# Allegro board 6089-103-RevB_76.brd (continued)
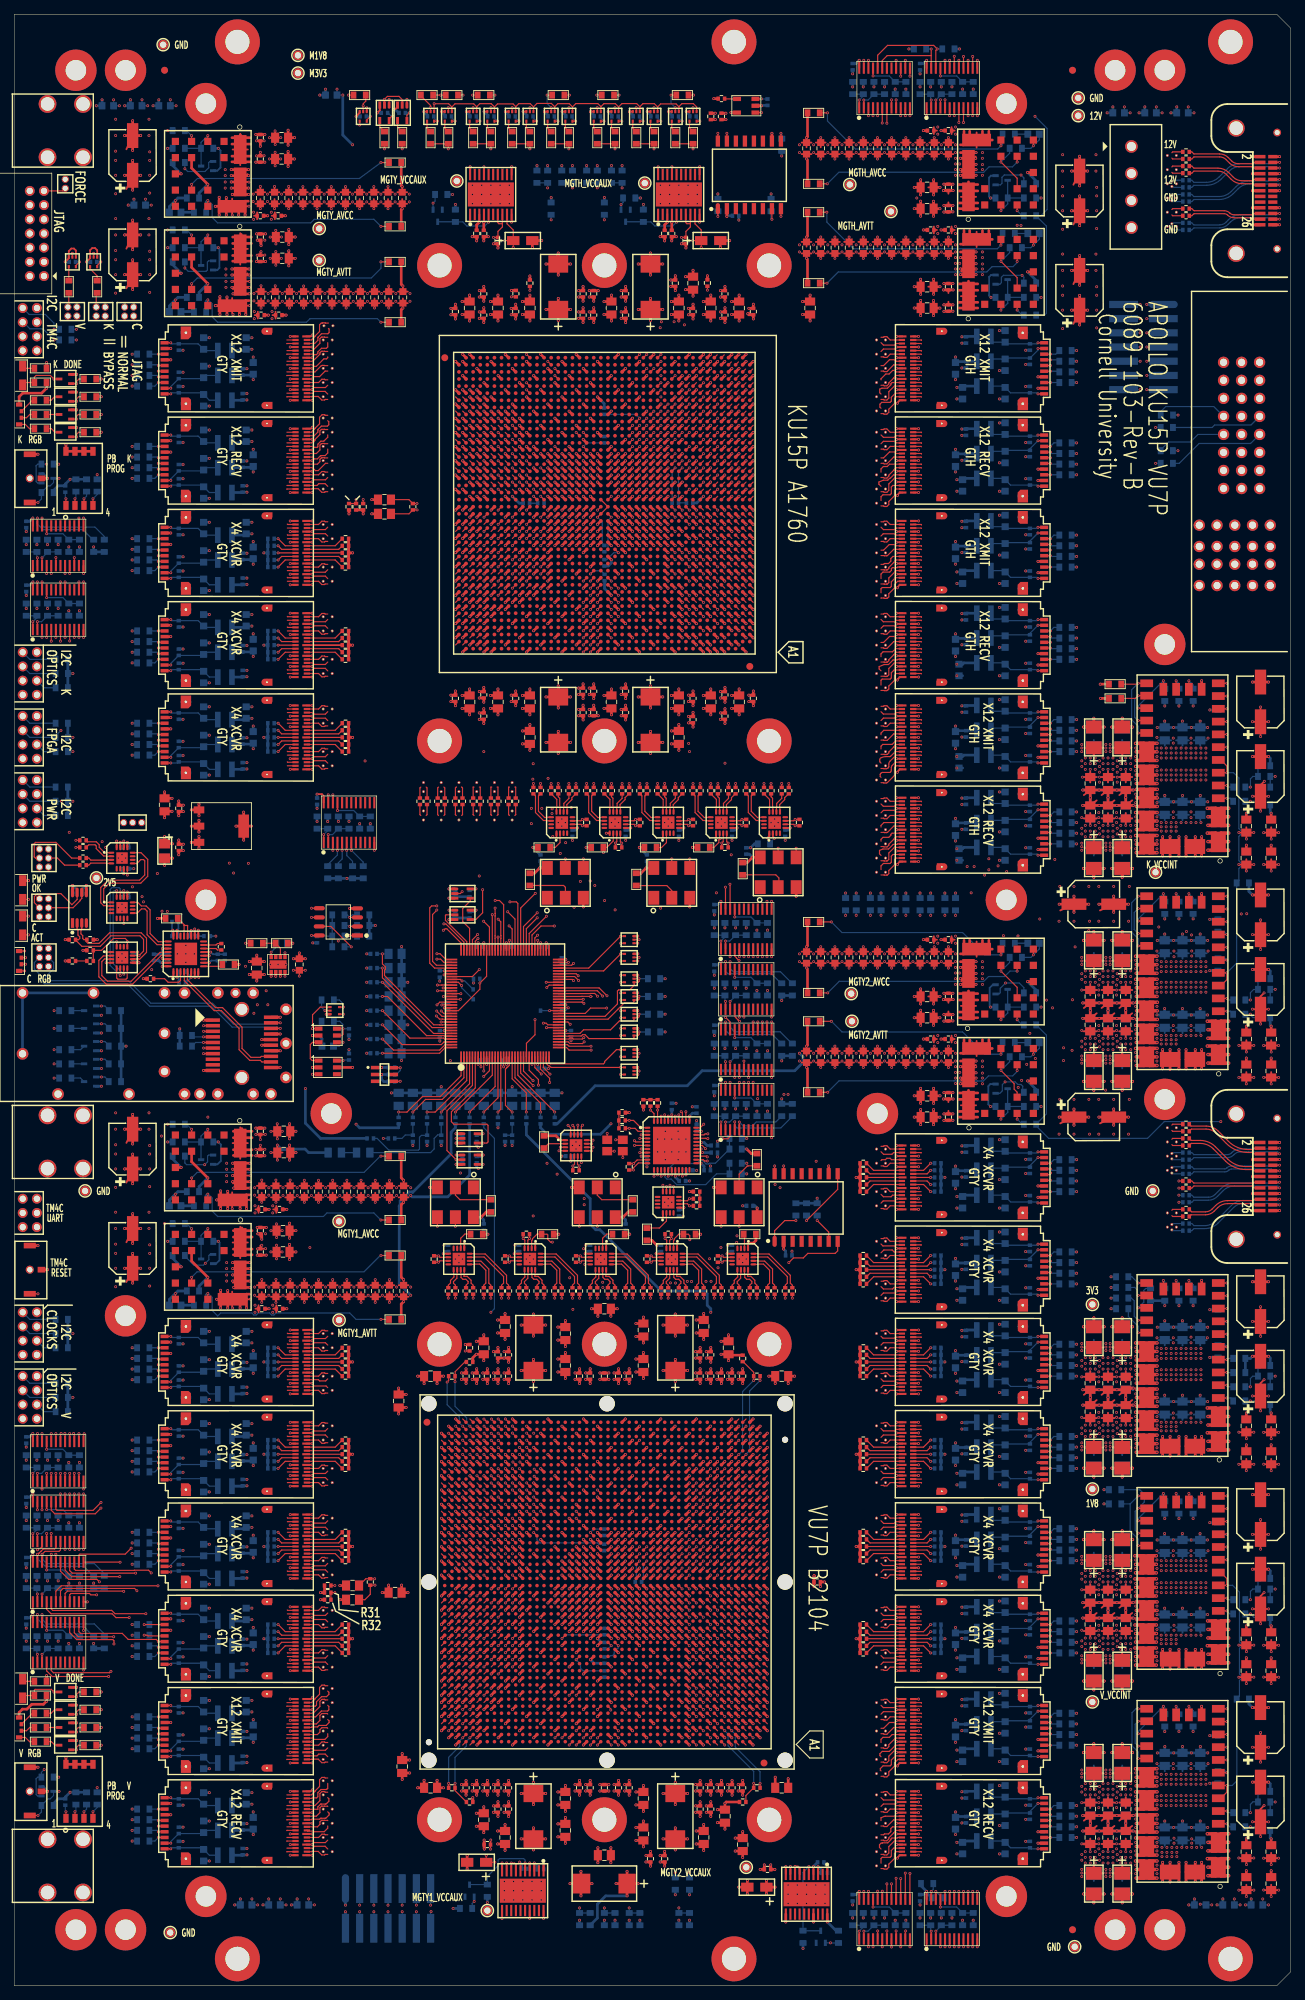
[diagram p0: board, top side]
## Routing (per net, layer and track width the routed paths; a pad name or vN(x,y) marks a point on that pad's centre or on a via; arc(x,y) is an arc through that point) (continued)
; 23.49,197.62 U22.G2 ; U22.G2 24.93,197.62 ; U22.G2 23.49,196.18 ; U22.G2 23.81,195.97 ; U22.G2 24.93,196.18 ; U22.G2 24.21,197.84 ; U22.G2 24.21,195.96 ; U22.G2 25.15,196.9 ; 122.83,195.52 VA82.3 ; VA82.3 123.25,196.09 ; VA82.3 123.25,195.71 ; VA82.3 123.22,195.9 ; VA82.3 122.83,196.28 ; VA82.3 123.16,195.58 ; VA82.3 123.02,196.31 ; VA82.3 123.16,196.22 ; 163.84,247.9 164.25,247.71 ; 163.84,247.9 163.84,248.28 ; 163.84,247.9 164.16,247.58 ; 163.84,247.9 164.25,248.09 ; 163.84,247.9 163.84,247.52 ; 163.84,247.9 164.22,247.9 ; 163.84,247.9 164.02,248.31 ; 163.84,247.9 164.16,248.22 ; VA104.3 123.22,109.9 ; VA104.3 122.83,110.28 ; VA104.3 123.25,109.71 ; VA104.3 123.16,110.22 ; VA104.3 122.83,109.52 ; VA104.3 123.02,110.31 ; VA104.3 123.25,110.09 ; VA104.3 123.16,109.58 ; 172.05,213.51 P1.10 ; P1.10 173.03,214.49 ; P1.10 173.03,212.53 ; P1.10 172.29,212.77 ; P1.10 173.77,214.25 ; P1.10 173.77,212.77 ; P1.10 172.29,214.25 ; P1.10 174.01,213.51 ; 59.79,165.72 VA56.4 ; VA56.4 60.61,165.72 ; VA56.4 60.2,165.92 ; VA56.4 59.88,165.86 ; VA56.4 60.39,165.95 ; VA56.4 60.52,165.86 ; VA56.4 60.58,165.53 ; VA56.4 59.82,165.53 ; 141.79,29.97 U116.G1 ; U116.G1 141.47,31.62 ; U116.G1 141.25,30.9 ; U116.G1 142.19,31.84 ; U116.G1 142.91,30.18 ; U116.G1 142.19,29.96 ; U116.G1 142.91,31.62 ; U116.G1 141.47,30.18 ; VA119.3 122.83,60.28 ; VA119.3 123.22,59.9 ; VA119.3 123.02,60.31 ; VA119.3 122.83,59.52 ; VA119.3 123.25,60.09 ; VA119.3 123.16,59.58 ; VA119.3 123.25,59.71 ; VA119.3 123.16,60.22 ; 121.56,91.52 VA109.3 ; VA109.3 121.15,92.09 ; VA109.3 121.38,91.49 ; VA109.3 121.56,92.28 ; VA109.3 121.18,91.9 ; VA109.3 121.24,91.58 ; VA109.3 121.24,92.22 ; VA109.3 121.15,91.71 ; 121.15,202.09 VA79.4 ; VA79.4 121.24,202.22 ; VA79.4 121.56,201.52 ; VA79.4 121.24,201.58 ; VA79.4 121.18,201.9 ; VA79.4 121.56,202.28 ; VA79.4 121.38,201.49 ; VA79.4 121.15,201.71 ; U117.G1 142.91,17.18 ; U117.G1 142.19,16.96 ; U117.G1 141.47,17.18 ; U117.G1 141.47,18.62 ; U117.G1 142.19,18.84 ; U117.G1 142.91,18.62 ; U117.G1 141.79,16.97 ; U117.G1 141.25,17.9 ; 15.31,125.65 U13.31 ; U13.31 16.86,124.98 ; U13.31 16.86,126.32 ; U13.31 16.19,124.77 ; U13.31 16.19,126.53 ; U13.31 17.07,125.65 ; U13.31 15.52,126.32 ; U13.31 15.52,124.98 ; 43.24,177.58 43.56,177.9 ; 43.56,177.9 43.15,178.09 ; 43.56,177.9 43.56,177.52 ; 43.56,177.9 43.56,178.28 ; 43.56,177.9 43.15,177.71 ; 43.56,177.9 43.24,178.22 ; 43.56,177.9 43.18,177.9 ; 43.56,177.9 43.38,177.49 ; 121.15,59.71 VA119.4 ; VA119.4 121.56,59.52 ; VA119.4 121.38,59.49 ; VA119.4 121.18,59.9 ; VA119.4 121.56,60.28 ; VA119.4 121.24,59.58 ; VA119.4 121.24,60.22 ; VA119.4 121.15,60.09 ; U112.G1 142.91,82.18 ; U112.G1 142.19,81.96 ; U112.G1 141.79,81.97 ; U112.G1 141.25,82.9 ; U112.G1 141.47,83.62 ; U112.G1 142.19,83.84 ; U112.G1 142.91,83.62 ; U112.G1 141.47,82.18 ; P1.14 173.03,224.65 ; P1.14 173.77,222.93 ; P1.14 173.03,222.69 ; P1.14 172.29,222.93 ; P1.14 172.29,224.41 ; P1.14 173.77,224.41 ; P1.14 174.01,223.67 ; P1.14 172.05,223.67 ; J3.8 3.87,182.57 ; J3.8 4.08,181.9 ; J3.8 3.2,182.78 ; J3.8 2.53,182.57 ; J3.8 3.87,181.23 ; J3.8 3.2,181.02 ; J3.8 2.53,181.23 ; J3.8 2.32,181.9 ; VA68.3 122.83,226.28 ; VA68.3 123.16,226.22 ; VA68.3 123.22,225.9 ; VA68.3 123.16,225.58 ; VA68.3 123.25,226.09 ; VA68.3 123.25,225.71 ; VA68.3 123.02,226.31 ; VA68.3 122.83,225.52 ; VA72.3 123.02,217.31 ; VA72.3 122.83,217.28 ; VA72.3 122.83,216.52 ; VA72.3 123.16,217.22 ; VA72.3 123.25,216.71 ; VA72.3 123.16,216.58 ; VA72.3 123.22,216.9 ; VA72.3 123.25,217.09 ; 43.24,232.22 43.56,231.9 ; 43.56,231.9 43.15,231.71 ; 43.56,231.9 43.56,232.28 ; 43.56,231.9 43.24,231.58 ; 43.56,231.9 43.18,231.9 ; 43.56,231.9 43.56,231.52 ; 43.56,231.9 43.15,232.09 ; 43.56,231.9 43.38,231.49 ; 121.15,170.09 VA94.4 ; VA94.4 121.24,169.58 ; VA94.4 121.56,169.52 ; VA94.4 121.38,169.49 ; VA94.4 121.18,169.9 ; VA94.4 121.56,170.28 ; VA94.4 121.15,169.71 ; VA94.4 121.24,170.22 ; 121.15,166.71 VA95.4 ; VA95.4 121.38,166.49 ; VA95.4 121.15,167.09 ; VA95.4 121.24,167.22 ; VA95.4 121.56,167.28 ; VA95.4 121.18,166.9 ; VA95.4 121.24,166.58 ; VA95.4 121.56,166.52 ; VA6.4 45.02,221.31 ; VA6.4 45.25,221.09 ; VA6.4 44.84,220.52 ; VA6.4 44.84,221.28 ; VA6.4 45.16,220.58 ; VA6.4 45.25,220.71 ; VA6.4 45.22,220.9 ; VA6.4 45.16,221.22 ; 163.84,108.9 164.02,109.31 ; 163.84,108.9 163.84,108.52 ; 163.84,108.9 163.84,109.28 ; 163.84,108.9 164.25,108.71 ; 163.84,108.9 164.16,109.22 ; 163.84,108.9 164.16,108.58 ; 163.84,108.9 164.25,109.09 ; 163.84,108.9 164.22,108.9 ; VA19.3 45.02,185.31 ; VA19.3 45.16,185.22 ; VA19.3 45.22,184.9 ; VA19.3 44.84,185.28 ; VA19.3 45.25,184.71 ; VA19.3 44.84,184.52 ; VA19.3 45.16,184.58 ; VA19.3 45.25,185.09 ; VA90.3 123.02,178.31 ; VA90.3 123.22,177.9 ; VA90.3 122.83,177.52 ; VA90.3 122.83,178.28 ; VA90.3 123.16,177.58 ; VA90.3 123.16,178.22 ; VA90.3 123.25,177.71 ; VA90.3 123.25,178.09 ; VA81.3 123.02,198.31 ; VA81.3 123.22,197.9 ; VA81.3 123.16,198.22 ; VA81.3 123.16,197.58 ; VA81.3 123.25,197.71 ; VA81.3 122.83,198.28 ; VA81.3 123.25,198.09 ; VA81.3 122.83,197.52 ; 1.2,163.02 J5.7 ; J5.7 1.58,164.77 ; J5.7 2.08,163.9 ; J5.7 2.07,163.52 ; J5.7 1.87,163.23 ; J5.7 1.2,164.78 ; J5.7 2.07,164.28 ; J5.7 1.87,164.57 ; U25.G1 24.21,93.84 ; U25.G1 23.49,93.62 ; U25.G1 23.49,92.18 ; U25.G1 24.93,93.62 ; U25.G1 24.93,92.18 ; U25.G1 24.21,91.96 ; U25.G1 25.15,92.9 ; U25.G1 23.81,91.97 ; VA80.4 121.56,200.28 ; VA80.4 121.18,199.9 ; VA80.4 121.56,199.52 ; VA80.4 121.24,200.22 ; VA80.4 121.38,199.49 ; VA80.4 121.24,199.58 ; VA80.4 121.15,199.71 ; VA80.4 121.15,200.09 ; 43.15,50.71 43.56,50.9 ; 43.56,50.9 43.56,50.52 ; 43.56,50.9 43.24,50.58 ; 43.56,50.9 43.38,50.49 ; 43.56,50.9 43.15,51.09 ; 43.56,50.9 43.18,50.9 ; 43.56,50.9 43.56,51.28 ; 43.56,50.9 43.24,51.22 ; 163.84,114.52 163.84,114.9 ; 163.84,114.9 164.25,115.09 ; 163.84,114.9 163.84,115.28 ; 163.84,114.9 164.16,114.58 ; 163.84,114.9 164.25,114.71 ; 163.84,114.9 164.16,115.22 ; 163.84,114.9 164.22,114.9 ; 163.84,114.9 164.02,115.31 ; VA120.3 123.16,57.58 ; VA120.3 123.02,58.31 ; VA120.3 123.22,57.9 ; VA120.3 122.83,58.28 ; VA120.3 123.16,58.22 ; VA120.3 123.25,57.71 ; VA120.3 123.25,58.09 ; VA120.3 122.83,57.52 ; J6.5 2.07,107.28 ; J6.5 1.2,107.78 ; J6.5 2.08,106.9 ; J6.5 1.87,106.23 ; J6.5 1.87,107.57 ; J6.5 1.2,106.02 ; J6.5 1.58,107.77 ; J6.5 2.07,106.52 ; 27.95,126.41 U13.28 ; U13.28 27.71,125.65 ; U13.28 27.95,124.89 ; U13.28 29.47,126.41 ; U13.28 28.71,126.65 ; U13.28 29.71,125.65 ; U13.28 28.71,124.65 ; U13.28 29.47,124.89 ; VA4.4 44.84,226.28 ; VA4.4 45.25,226.09 ; VA4.4 45.16,225.58 ; VA4.4 45.25,225.71 ; VA4.4 45.22,225.9 ; VA4.4 44.84,225.52 ; VA4.4 45.02,226.31 ; VA4.4 45.16,226.22 ; 156.69,246.93 157.5,247.74 ; 157.5,247.74 158.31,248.54 ; 157.5,247.74 157.5,248.8 ; 157.5,247.74 158.31,246.93 ; 157.5,247.74 157.5,246.67 ; 157.5,247.74 158.57,247.74 ; 157.5,247.74 156.43,247.74 ; 157.5,247.74 156.69,248.54 ; 141.79,166.97 U109.G2 ; U109.G2 141.47,167.18 ; U109.G2 142.91,168.62 ; U109.G2 141.25,167.9 ; U109.G2 142.19,168.84 ; U109.G2 142.19,166.96 ; U109.G2 141.47,168.62 ; U109.G2 142.91,167.18 ; VA44.4 45.25,33.71 ; VA44.4 45.16,33.58 ; VA44.4 45.25,34.09 ; VA44.4 45.02,34.31 ; VA44.4 45.22,33.9 ; VA44.4 45.16,34.22 ; VA44.4 44.84,33.52 ; VA44.4 44.84,34.28 ; U111.G1 142.19,96.84 ; U111.G1 142.19,94.96 ; U111.G1 141.47,96.62 ; U111.G1 141.47,95.18 ; U111.G1 142.91,96.62 ; U111.G1 141.25,95.9 ; U111.G1 142.91,95.18 ; U111.G1 141.79,94.97 ; 121.24,31.58 VA129.4 ; VA129.4 121.24,32.22 ; VA129.4 121.56,31.52 ; VA129.4 121.18,31.9 ; VA129.4 121.15,32.09 ; VA129.4 121.15,31.71 ; VA129.4 121.38,31.49 ; VA129.4 121.56,32.28 ; 43.15,33.71 43.56,33.9 ; 43.56,33.9 43.56,34.28 ; 43.56,33.9 43.56,33.52 ; 43.56,33.9 43.15,34.09 ; 43.56,33.9 43.24,34.22 ; 43.56,33.9 43.24,33.58 ; 43.56,33.9 43.18,33.9 ; 43.56,33.9 43.38,33.49 ; 43.24,18.58 43.56,18.9 ; 43.56,18.9 43.18,18.9 ; 43.56,18.9 43.56,18.52 ; 43.56,18.9 43.56,19.28 ; 43.56,18.9 43.24,19.22 ; 43.56,18.9 43.15,18.71 ; 43.56,18.9 43.15,19.09 ; 43.56,18.9 43.38,18.49 ; VA39.3 44.84,45.28 ; VA39.3 45.02,45.31 ; VA39.3 44.84,44.52 ; VA39.3 45.16,45.22 ; VA39.3 45.25,44.71 ; VA39.3 45.22,44.9 ; VA39.3 45.25,45.09 ; VA39.3 45.16,44.58 ; VA99.3 122.83,159.28 ; VA99.3 123.25,158.71 ; VA99.3 123.22,158.9 ; VA99.3 123.25,159.09 ; VA99.3 123.16,159.22 ; VA99.3 123.16,158.58 ; VA99.3 122.83,158.52 ; VA99.3 123.02,159.31 ; 166.33,202.06 P1.P2-9 ; P1.P2-9 167.07,203.78 ; P1.P2-9 166.33,203.54 ; P1.P2-9 167.07,201.82 ; P1.P2-9 167.81,203.54 ; P1.P2-9 168.05,202.8 ; P1.P2-9 167.81,202.06 ; P1.P2-9 166.09,202.8 ; U114.G2 142.19,67.84 ; U114.G2 141.79,65.97 ; U114.G2 142.91,66.18 ; U114.G2 142.91,67.62 ; U114.G2 141.47,67.62 ; U114.G2 141.47,66.18 ; U114.G2 141.25,66.9 ; U114.G2 142.19,65.96 ; 43.56,31.9 43.56,32.28 ; 43.56,31.9 43.24,31.58 ; 43.56,31.9 43.24,32.22 ; 43.56,31.9 43.38,31.49 ; 43.56,31.9 43.56,31.52 ; 43.56,31.9 43.18,31.9 ; 43.56,31.9 43.15,31.71 ; 43.56,31.9 43.15,32.09 ; 172.29,215.31 P1.11 ; P1.11 172.29,216.79 ; P1.11 173.03,215.07 ; P1.11 172.05,216.05 ; P1.11 173.77,216.79 ; P1.11 174.01,216.05 ; P1.11 173.03,217.03 ; P1.11 173.77,215.31 ; 121.24,219.22 VA71.4 ; VA71.4 121.56,219.28 ; VA71.4 121.24,218.58 ; VA71.4 121.15,219.09 ; VA71.4 121.38,218.49 ; VA71.4 121.15,218.71 ; VA71.4 121.56,218.52 ; VA71.4 121.18,218.9 ; VA77.3 123.16,206.22 ; VA77.3 123.25,206.09 ; VA77.3 123.16,205.58 ; VA77.3 122.83,205.52 ; VA77.3 122.83,206.28 ; VA77.3 123.22,205.9 ; VA77.3 123.25,205.71 ; VA77.3 123.02,206.31 ; 44.84,35.52 VA43.4 ; VA43.4 44.84,36.28 ; VA43.4 45.25,36.09 ; VA43.4 45.16,36.22 ; VA43.4 45.25,35.71 ; VA43.4 45.16,35.58 ; VA43.4 45.02,36.31 ; VA43.4 45.22,35.9 ; VA41.4 45.25,39.71 ; VA41.4 45.22,39.9 ; VA41.4 44.84,39.52 ; VA41.4 45.16,39.58 ; VA41.4 45.25,40.09 ; VA41.4 44.84,40.28 ; VA41.4 45.02,40.31 ; VA41.4 45.16,40.22 ; VA35.3 45.22,57.9 ; VA35.3 45.16,58.22 ; VA35.3 45.16,57.58 ; VA35.3 45.25,57.71 ; VA35.3 44.84,58.28 ; VA35.3 45.02,58.31 ; VA35.3 44.84,57.52 ; VA35.3 45.25,58.09 ; 121.15,162.71 VA97.4 ; VA97.4 121.24,162.58 ; VA97.4 121.18,162.9 ; VA97.4 121.24,163.22 ; VA97.4 121.38,162.49 ; VA97.4 121.56,163.28 ; VA97.4 121.15,163.09 ; VA97.4 121.56,162.52 ; VA74.3 123.25,212.71 ; VA74.3 122.83,213.28 ; VA74.3 123.22,212.9 ; VA74.3 123.25,213.09 ; VA74.3 122.83,212.52 ; VA74.3 123.16,213.22 ; VA74.3 123.02,213.31 ; VA74.3 123.16,212.58 ; 121.38,210.49 VA75.4 ; VA75.4 121.24,211.22 ; VA75.4 121.56,210.52 ; VA75.4 121.24,210.58 ; VA75.4 121.15,210.71 ; VA75.4 121.18,210.9 ; VA75.4 121.56,211.28 ; VA75.4 121.15,211.09 ; VA136.3 123.02,17.31 ; VA136.3 123.22,16.9 ; VA136.3 122.83,16.52 ; VA136.3 123.25,17.09 ; VA136.3 122.83,17.28 ; VA136.3 123.25,16.71 ; VA136.3 123.16,17.22 ; VA136.3 123.16,16.58 ; U13.21 31.89,139.21 ; U13.21 30.3,139.9 ; U13.21 30.51,139.21 ; U13.21 31.2,140.8 ; U13.21 30.51,140.59 ; U13.21 32.1,139.9 ; U13.21 31.89,140.59 ; U13.21 31.2,139 ; VA130.3 123.16,29.58 ; VA130.3 123.22,29.9 ; VA130.3 122.83,30.28 ; VA130.3 123.02,30.31 ; VA130.3 123.25,30.09 ; VA130.3 122.83,29.52 ; VA130.3 123.16,30.22 ; VA130.3 123.25,29.71 ; 62.51,163.85 62.7,164.26 ; 62.7,164.26 62.38,163.94 ; 62.7,164.26 63.08,164.26 ; 62.7,164.26 63.02,163.94 ; 62.7,164.26 63.11,164.08 ; 62.7,164.26 62.32,164.26 ; 62.7,164.26 62.7,163.88 ; 62.7,164.26 62.29,164.08 ; 43.56,192.52 43.56,192.9 ; 43.56,192.9 43.18,192.9 ; 43.56,192.9 43.24,193.22 ; 43.56,192.9 43.15,192.71 ; 43.56,192.9 43.24,192.58 ; 43.56,192.9 43.15,193.09 ; 43.56,192.9 43.56,193.28 ; 43.56,192.9 43.38,192.49 ; 43.38,83.49 43.56,83.9 ; 43.56,83.9 43.24,83.58 ; 43.56,83.9 43.56,84.28 ; 43.56,83.9 43.18,83.9 ; 43.56,83.9 43.56,83.52 ; 43.56,83.9 43.15,84.09 ; 43.56,83.9 43.15,83.71 ; 43.56,83.9 43.24,84.22 ; J2.7 2.07,230.02 ; J2.7 1.87,231.07 ; J2.7 1.87,229.73 ; J2.7 1.2,231.28 ; J2.7 2.08,230.4 ; J2.7 1.2,229.52 ; J2.7 2.07,230.78 ; J2.7 1.58,231.27 ; 162.24,109.22 VA147.4 ; VA147.4 162.38,108.49 ; VA147.4 162.15,108.71 ; VA147.4 162.56,108.52 ; VA147.4 162.15,109.09 ; VA147.4 162.24,108.58 ; VA147.4 162.18,108.9 ; VA147.4 162.56,109.28 ; 57.51,163.85 57.7,164.26 ; 57.7,164.26 58.11,164.08 ; 57.7,164.26 58.08,164.26 ; 57.7,164.26 58.02,163.94 ; 57.7,164.26 57.38,163.94 ; 57.7,164.26 57.32,164.26 ; 57.7,164.26 57.7,163.88 ; 57.7,164.26 57.29,164.08 ; 162.38,253.49 VA139.4 ; VA139.4 162.24,253.58 ; VA139.4 162.56,253.52 ; VA139.4 162.18,253.9 ; VA139.4 162.15,253.71 ; VA139.4 162.15,254.09 ; VA139.4 162.24,254.22 ; VA139.4 162.56,254.28 ; 43.38,186.49 43.56,186.9 ; 43.56,186.9 43.15,186.71 ; 43.56,186.9 43.56,187.28 ; 43.56,186.9 43.24,187.22 ; 43.56,186.9 43.24,186.58 ; 43.56,186.9 43.18,186.9 ; 43.56,186.9 43.15,187.09 ; 43.56,186.9 43.56,186.52 ; 43.24,205.58 43.56,205.9 ; 43.56,205.9 43.15,205.71 ; 43.56,205.9 43.56,206.28 ; 43.56,205.9 43.56,205.52 ; 43.56,205.9 43.38,205.49 ; 43.56,205.9 43.15,206.09 ; 43.56,205.9 43.24,206.22 ; 43.56,205.9 43.18,205.9 ; J4.7 1.2,173.78 ; J4.7 2.07,173.28 ; J4.7 1.2,172.02 ; J4.7 2.07,172.52 ; J4.7 1.87,173.57 ; J4.7 2.08,172.9 ; J4.7 1.58,173.77 ; J4.7 1.87,172.23 ; 176.33,202.06 P1.P2-1 ; P1.P2-1 176.33,203.54 ; P1.P2-1 177.81,202.06 ; P1.P2-1 178.05,202.8 ; P1.P2-1 177.07,203.78 ; P1.P2-1 177.07,201.82 ; P1.P2-1 176.09,202.8 ; P1.P2-1 177.81,203.54 ; 43.15,37.71 43.56,37.9 ; 43.56,37.9 43.38,37.49 ; 43.56,37.9 43.15,38.09 ; 43.56,37.9 43.56,38.28 ; 43.56,37.9 43.24,38.22 ; 43.56,37.9 43.24,37.58 ; 43.56,37.9 43.56,37.52 ; 43.56,37.9 43.18,37.9 ; P1.13 174.01,221.13 ; P1.13 173.03,220.15 ; P1.13 173.77,221.87 ; P1.13 173.03,222.11 ; P1.13 172.29,221.87 ; P1.13 172.05,221.13 ; P1.13 172.29,220.39 ; P1.13 173.77,220.39 ; 6.18,125.65 6.85,124.98 ; 6.18,125.65 5.51,126.32 ; 6.18,125.65 5.3,125.65 ; 6.18,125.65 6.85,126.32 ; 6.18,125.65 5.51,124.98 ; 6.18,125.65 6.18,124.77 ; 6.18,125.65 6.18,126.53 ; 6.18,125.65 7.06,125.65 ; 162.15,256.09 VA138.4 ; VA138.4 162.38,255.49 ; VA138.4 162.24,255.58 ; VA138.4 162.18,255.9 ; VA138.4 162.15,255.71 ; VA138.4 162.56,256.28 ; VA138.4 162.56,255.52 ; VA138.4 162.24,256.22 ; J8.7 1.87,79.23 ; J8.7 1.58,80.77 ; J8.7 1.87,80.57 ; J8.7 1.2,80.78 ; J8.7 1.2,79.02 ; J8.7 2.08,79.9 ; J8.7 2.07,79.52 ; J8.7 2.07,80.28 ; VA33.4 44.84,64.28 ; VA33.4 45.02,64.31 ; VA33.4 45.16,64.22 ; VA33.4 45.22,63.9 ; VA33.4 45.25,64.09 ; VA33.4 44.84,63.52 ; VA33.4 45.25,63.71 ; VA33.4 45.16,63.58 ; 121.24,33.58 VA128.4 ; VA128.4 121.24,34.22 ; VA128.4 121.15,33.71 ; VA128.4 121.38,33.49 ; VA128.4 121.15,34.09 ; VA128.4 121.56,33.52 ; VA128.4 121.18,33.9 ; VA128.4 121.56,34.28 ; 174.57,204.82 P1.P2-4 ; P1.P2-4 175.31,206.54 ; P1.P2-4 173.59,205.8 ; P1.P2-4 173.83,206.54 ; P1.P2-4 175.55,205.8 ; P1.P2-4 174.57,206.78 ; P1.P2-4 175.31,205.06 ; P1.P2-4 173.83,205.06 ; VA32.4 45.16,65.58 ; VA32.4 45.25,66.09 ; VA32.4 45.16,66.22 ; VA32.4 44.84,65.52 ; VA32.4 45.22,65.9 ; VA32.4 45.25,65.71 ; VA32.4 45.02,66.31 ; VA32.4 44.84,66.28 ; VA12.4 45.02,206.31 ; VA12.4 45.25,205.71 ; VA12.4 45.16,205.58 ; VA12.4 45.25,206.09 ; VA12.4 45.16,206.22 ; VA12.4 44.84,205.52 ; VA12.4 44.84,206.28 ; VA12.4 45.22,205.9 ; 69.82,165.53 VA64.4 ; VA64.4 70.61,165.72 ; VA64.4 70.58,165.53 ; VA64.4 69.79,165.72 ; VA64.4 70.2,165.92 ; VA64.4 70.52,165.86 ; VA64.4 70.39,165.95 ; VA64.4 69.88,165.86 ; 121.18,70.9 VA116.4 ; VA116.4 121.24,71.22 ; VA116.4 121.38,70.49 ; VA116.4 121.24,70.58 ; VA116.4 121.15,70.71 ; VA116.4 121.15,71.09 ; VA116.4 121.56,71.28 ; VA116.4 121.56,70.52 ; VA89.3 123.25,179.71 ; VA89.3 123.02,180.31 ; VA89.3 123.25,180.09 ; VA89.3 123.16,179.58 ; VA89.3 123.22,179.9 ; VA89.3 122.83,179.52 ; VA89.3 122.83,180.28 ; VA89.3 123.16,180.22 ; 23.49,79.18 U26.G1 ; U26.G1 25.15,79.9 ; U26.G1 24.93,79.18 ; U26.G1 24.21,80.84 ; U26.G1 24.21,78.96 ; U26.G1 23.81,78.97 ; U26.G1 23.49,80.62 ; U26.G1 24.93,80.62 ; 43.15,171.71 43.56,171.9 ; 43.56,171.9 43.38,171.49 ; 43.56,171.9 43.56,172.28 ; 43.56,171.9 43.15,172.09 ; 43.56,171.9 43.24,172.22 ; 43.56,171.9 43.56,171.52 ; 43.56,171.9 43.24,171.58 ; 43.56,171.9 43.18,171.9